# Altium PCB Smartfin Main PCBA.PcbDoc (part 2 of 2)
Units mm, origin at the board's own origin, x right, y up, seen from the top; angles counter-clockwise.
Board outline 85.75 x 70.5 mm, 4 copper layers (Top Layer, GND, Power, Bottom Layer), stack 0.678 mm thick; 125 components, 79 nets, 493 pads, 437 vias.
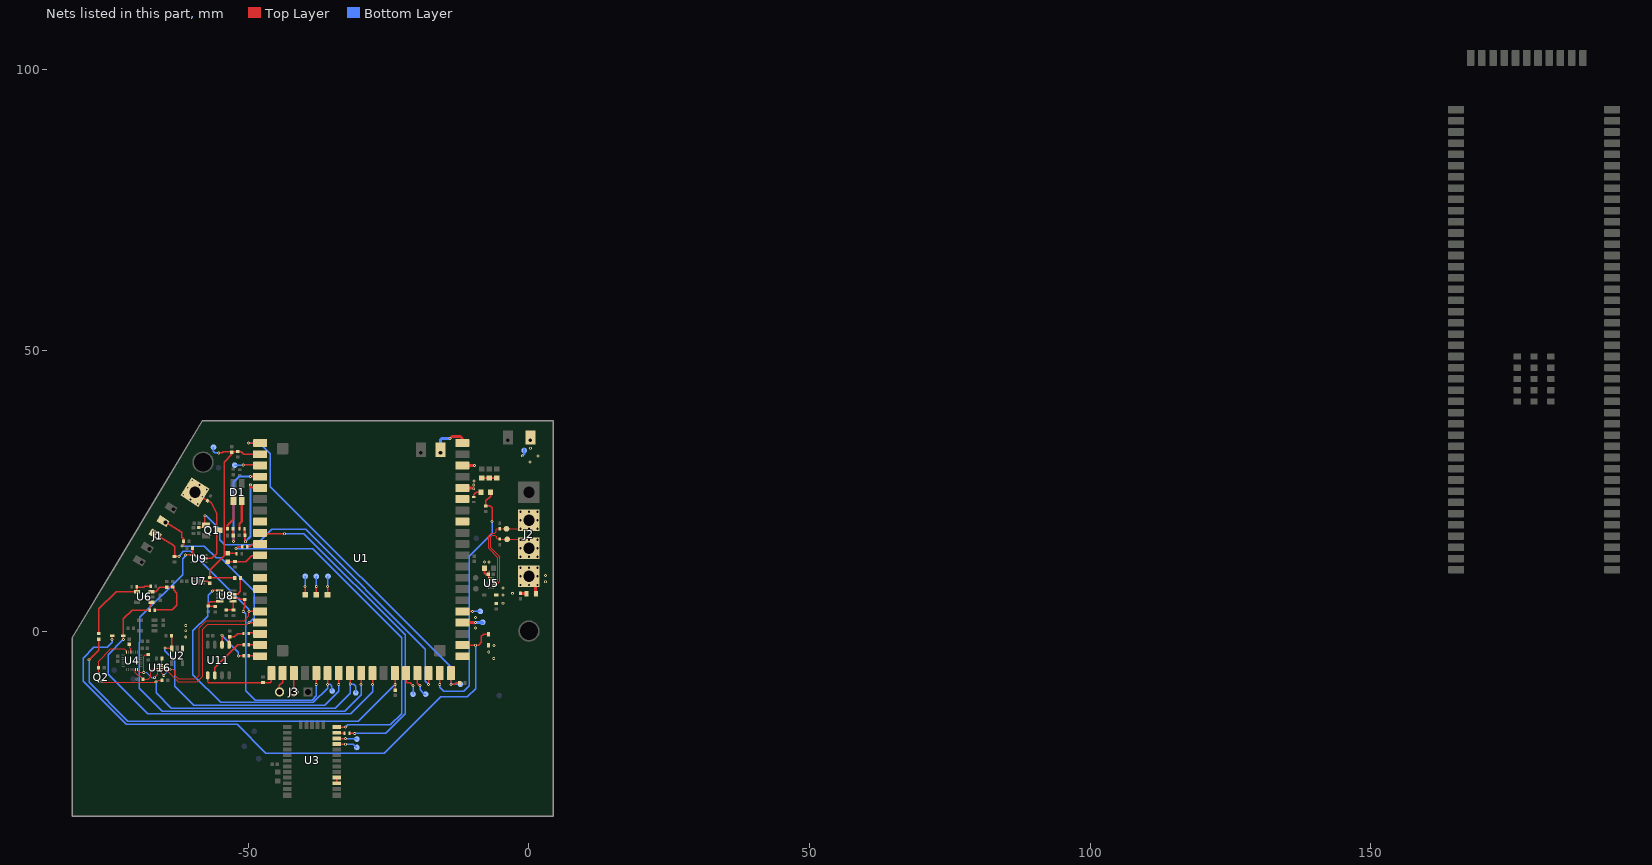
[diagram p4: the nets of this part, all layers, seen from the top]

## Via types
v1: diameter 0.503, hole 0.203, Top Layer to Bottom Layer, tented both sides, 397 vias
v2: diameter 0.6, hole 0.4, Top Layer to Bottom Layer, 32 vias
v3: diameter 0.61, hole 0.305, Top Layer to Bottom Layer, 8 vias

## Nets (pads, with @x,y where several pads share a name; then routed paths per layer and width w, separated by ;. In a path a pad name is that pad's centre, name@x,y a point inside that pad or via, vN(x,y) a via of type N, cw(c..) or ccw(c..) an arc to the next point about the centre after c; other vN are vias at no path point) (continued)
GPIO_PIN16: TP6.1 U1.16 | length 3.2
  Top Layer w0.254: U1.16@-11.872,3.504 v1(-10.03,3.504) -9.955,3.504 v1@-9.93,3.529
  Bottom Layer w0.254: v1@-9.9,3.515 TP6.1@-8.65,3.515
GPIO_PIN24: TP8.1 U1.24 | length 4.5
  Top Layer w0.254: U1.24@-19.88,-7.504 -19.88,-9.27 -19.68,-9.471 v1(-19.43,-9.721)
  Bottom Layer w0.254: v1@-19.4,-9.735 -19.4,-10.485 -18.65,-11.235 TP8.1@-18.4,-11.235
GPIO_PIN25: TP12.1 U1.25 | length 4.5
  Top Layer w0.254: U1.25@-21.88,-7.504 -21.88,-9.021 -21.68,-9.221 -21.18,-9.221 v1(-20.68,-9.721)
  Bottom Layer w0.254: TP12.1@-20.65,-11.235 v1@-20.65,-9.735
GPS_PWR: R14.2 U1.31 U2.3 | length 45.8
  Top Layer w0.254: v1(-64.848,-3.043) -63.65,-3.043 U2.3@-63.638,-3.031 ; R14.2@-63.675,-0.96 -63.65,-0.985 -63.65,-3.018 U2.3@-63.638,-3.031 ; U2.3@-63.625,-3.043 U2.3@-63.638,-3.031 ; v1(-33.88,-9.496) U1.31@-33.88,-7.504
  Bottom Layer w0.254: v1(-64.848,-3.043) -64.848,-3.485 -63.094,-5.239 -63.094,-9.841 -59.685,-13.25 -36.365,-13.25 -33.85,-10.735 v1@-33.85,-9.51
GPS_RF: U3.16 U3.17 | length 1.2
  Top Layer w0.254: U3.16@-34.25,-27.11 U3.17@-34.25,-26.11 -34.25,-26.085 U3.17@-34.15,-25.985 ; U3.17@-34.125,-26.185 U3.17@-34.066,-26.126
GPS_RX: R1.1 U1.49 | length 58.8
  Top Layer w0.254: U1.49@-47.888,17.504 -47.727,17.343 v1(-43.529,17.343) ; R1.1@-31.95,-18.235 v1(-31.03,-18.235)
  Bottom Layer w0.254: v1(-43.529,17.343) -40.079,17.343 ; -40.074,17.343 -40.079,17.343 ; v1(-31.03,-18.235) -25.549,-18.235 -22.075,-14.761 -22.075,-0.66 -40.079,17.343
GPS_TX: R2.1 U1.48 | length 2.6
  Top Layer w0.254: R2.1@-50.234,14.981 -50.234,15.006 -50.209,15.032 R2.1@-50.191,15.032 -49.701,15.032 -49.269,15.464 -47.929,15.464 U1.48@-47.888,15.504 U1.48@-47.873,15.489
GREEN: D1.3 R8.2 | length 5.3
  Top Layer w0.254: R8.2@-51.607,18.26 R8.2@-51.557,18.21
  Top Layer w0.381: R8.2@-51.557,18.21 -51.557,19.118 -51.155,19.52 -51.155,23.105 D1.3@-51.3,23.25
GREEN_PIO: R8.1 R29.1 U1.53 | length 15.1
  Top Layer w0.254: R8.1@-50.657,18.21 R8.1@-50.632,18.185 ; R29.1@-50.632,17.092 R29.1@-50.607,17.067 R29.1@-50.567,17.026 ; v1@-50.567,15.966 v1(-50.526,15.925) -50.395,15.925 v1@-50.39,15.93 ; U1.53@-47.938,25.554 U1.53@-47.888,25.504
  Top Layer w0.381: R29.1@-50.632,17.092 R8.1@-50.632,18.185 ; v1@-50.567,15.966 R29.1@-50.567,17.026 ; v1(-49.613,26.056) -49.613,25.653 -49.57,25.61 ; -49.48,25.554 U1.53@-47.938,25.554
  Bottom Layer w0.381: v1(-50.526,15.925) -49.613,16.838 v1(-49.613,26.056)
I2C_VREF2: R40.1 U16.7 U16.8 | length 1.5
  Top Layer w0.15: U16.7@-65.441,-6.319 U16.7@-65.466,-6.344 U16.8@-65.466,-5.994 -65.466,-4.977 R40.1@-65.369,-4.88
IMU_INT: Q2.D R44.1 TP25.1 U1.30 | length 55.6
  Top Layer w0.203: Q2.D@-76.16,-8.869 -76.16,-8.924 -75.936,-9.149 -66.531,-9.149 v1(-66.425,-9.042) -66.344,-9.042 -66.084,-8.783 R44.1@-65.479,-8.783 ; U1.30@-31.88,-7.504 U1.30@-31.845,-7.539
  Top Layer w0.254: v1(-31.845,-9.454) U1.30@-31.845,-7.539
  Bottom Layer w0.254: v1(-66.425,-9.042) -66.425,-11.003 -63.703,-13.725 -34.49,-13.725 -31.87,-11.105 v1@-31.87,-9.454 ; v1(-31.845,-9.454) -31.212,-9.454 -30.854,-9.812 TP25.1@-30.854,-10.975
IMU_INT_VDDIO: Q2.S R43.1 U4.12 | length 8.4
  Top Layer w0.203: Q2.S@-76.66,-7.579 R43.1@-76.66,-6.518 -76.66,-5.361 -74.491,-3.191 -72.104,-3.191 -71.752,-3.543 -71.723,-3.543 -71.721,-3.544 U4.12@-71.721,-3.741
IMU_SCL: R42.1 U4.23 U16.3 | length 6.5
  Top Layer w0.15: -66.651,-6.694 -66.198,-6.694 U16.3@-66.136,-6.694
  Top Layer w0.203: U4.23@-70.121,-6.841 -70.121,-7.446 -69.678,-7.889 -69.415,-7.889 -68.798,-8.506 R42.1@-68.798,-8.556 -67.824,-8.556 -67.4,-8.132 -67.4,-7.069 -67.025,-6.694 -66.651,-6.694 ; U16.3@-66.198,-6.694 U16.3@-66.136,-6.694
IMU_SDA: R41.1 U4.24 U16.4 | length 9.1
  Top Layer w0.15: U16.4@-66.136,-7.044 -66.128,-7.052 -66.128,-7.391
  Top Layer w0.203: U4.24@-69.721,-6.841 -69.721,-7.038 -69.379,-7.38 v1(-68.621,-7.38) -68.617,-7.376 -68.617,-4.509 -68.338,-4.23 -67.888,-4.23 R41.1@-67.838,-4.18 ; v1@-66.608,-8.302 v1(-66.689,-8.302) -66.689,-8.243 -66.128,-7.682 -66.128,-7.391
  Bottom Layer w0.203: v1(-68.621,-7.38) -68.153,-7.38 -67.231,-8.302 v1(-66.689,-8.302)
LED: DS2.2 R11.1 U1.47 | length 6.2
  Top Layer w0.254: DS2.2@-53.75,12.369 -52.638,12.369 -52.628,12.36 -52.576,12.36 R11.1@-52.571,12.355 ; R11.1@-52.368,12.369 -50.471,12.369 -49.4,13.44 -47.908,13.44 U1.47@-47.858,13.49
LIPO: C7.2 C10.2 C11.2 P1.1 TP26.1 U1.5 U2.1 | length 6
  Top Layer w0.254: U1.5@-11.872,25.504 U1.5@-11.772,25.604
  Top Layer w0.381: U2.1@-61.728,-3.041 U2.1@-61.725,-3.043 ; C11.2@-8.429,27.249 C10.2@-7.082,27.249 C7.2@-5.729,27.249 -5.716,27.249 C7.2@-5.665,27.199
  Top Layer w0.559: U1.5@-11.872,25.504 -11.839,25.471 -10.153,25.471
  Bottom Layer w0.381: v1(-1.175,31.225) -0.84,31.56 TP26.1@-0.84,32.414
  other v1: -61.131,-1.046 -61.156,0.046 -61.156,0.986 -9.827,25.358 -9.819,26.051 -9.81,26.736 0.174,30.112 1.6,31.175 0.26,32.575
MODE: TP14.1 U1.55 | length 4.6
  Top Layer w0.254: v1(-50.895,29.611) -47.847,29.611 U1.55@-47.796,29.561
  Bottom Layer w0.254: TP14.1@-52.42,29.56 -50.896,29.56 v1@-50.895,29.561
NetC4_2: C4.2 U4.10 | length 1.5
  Top Layer w0.203: C4.2@-71.321,-2.399 -71.113,-2.607 -71.113,-3 -70.967,-3.146 -70.967,-3.159 -70.921,-3.205 U4.10@-70.921,-3.741
NetDS1_A: DS1.A R12.1 | length 2
  Top Layer w0.254: R12.1@-9.891,23.874 -9.867,23.898 -9.832,23.898 -9.832,24.297 -9.378,24.751 DS1.A@-8.532,24.751
NetDS2_1: DS2.1 R10.1 | length 1.5
  Top Layer w0.254: DS2.1@-53.583,13.844 R10.1@-52.12,13.844
NetR1_2: R1.2 U3.25 | length 1.4
  Top Layer w0.254: U3.25@-34.25,-18.11 -34.187,-18.172 -32.923,-18.172 -32.9,-18.195 R1.2@-32.9,-18.235
NetR2_2: R2.2 U3.26 | length 63.5
  Top Layer w0.254: v1(-52.19,14.702) -52.123,14.702 -51.792,15.032 R2.2@-51.123,15.032 ; U3.26@-34.187,-17.047 U3.26@-34.25,-17.11 v1(-32.675,-17.11)
  Bottom Layer w0.254: v1@-52.19,14.727 -52.165,14.702 -38.525,14.702 -22.675,-1.148 -22.675,-14.686 -24.699,-16.71 -32.275,-16.71 v1(-32.675,-17.11)
NetR32_1: R32.1 U8.7 | length 3.7
  Top Layer w0.254: U8.7@-52.725,6.59 -51.92,6.59 -51.4,7.11 R32.1@-51.4,9.265
NetR33_1: R33.1 U7.5 | length 1.2
  Top Layer w0.254: U7.5@-57.995,8.908 -57.993,8.906 -57.341,8.906 -56.964,8.529 R33.1@-56.914,8.529
NetU1_6: U1.6
NetU1_8: U1.8
NetU1_20: U1.20
NetU1_44: U1.44
NetU1_45: U1.45
NetU1_50: U1.50
RED: D1.1 R7.2 | length 5.7
  Top Layer w0.254: R7.2@-53.72,18.235 R7.2@-53.714,18.24
  Top Layer w0.381: R7.2@-53.714,18.24 -53.714,18.864 -52.637,19.941 -52.637,22.938 -52.9,23.201 -52.9,23.3 D1.1@-52.925,23.325
RED_PIO: R7.1 R30.1 U1.54 | length 18.3
  Top Layer w0.254: R7.1@-52.72,18.235 R7.1@-52.702,18.216 ; R30.1@-52.702,17.06 R30.1@-52.683,17.042 R30.1@-52.664,17.022 ; v1@-52.664,15.954 v1(-52.645,15.935)
  Top Layer w0.381: R30.1@-52.702,17.06 R7.1@-52.702,18.216 ; v1@-52.664,15.954 R30.1@-52.664,17.022 ; v1@-49.634,27.536 U1.54@-47.697,27.536
  Bottom Layer w0.381: v1(-52.645,15.935) -52.645,26.535 -51.64,27.539 v1(-49.637,27.539)
RESET: C8.2 R15.1 R32.2 R33.2 TP15.1 U1.56 | length 37.7
  Top Layer w0.254: v1@-55.238,31.745 -54.654,31.745 -54.449,31.95 -52.936,31.95 -51.876,31.95 -51.301,31.95 -50.841,31.49 U1.56@-47.858,31.49 ; -53.9,9.515 R33.2@-56.9,9.515 -56.9,10.863 -54.327,13.436 -54.327,30.123 -52.95,31.5 C8.2@-52.95,31.65 ; -53.841,9.52 -52.461,9.52 R32.2@-52.411,9.469
  Bottom Layer w0.254: TP15.1@-56.203,32.786 TP15.1@-56.203,32.761 -56.203,31.999 -55.949,31.745 v1(-55.263,31.745)
RESET_N: TP17.1 U3.23 | length 3.7
  Top Layer w0.254: U3.23@-34.125,-20.185 -34.097,-20.157 v1(-32.666,-20.157)
  Bottom Layer w0.254: v1@-32.65,-20.235 -32.572,-20.157 -31.322,-20.157 -30.744,-20.735 TP17.1@-30.65,-20.735
SAFEBOOT_N: TP18.1 U3.24 | length 3.5
  Top Layer w0.254: U3.24@-34.125,-19.185 -34.081,-19.141 v1(-32.666,-19.141)
  Bottom Layer w0.254: v1@-32.65,-19.235 -32.603,-19.188 -30.697,-19.188 TP18.1@-30.65,-19.235
SCL: J1.2 R3.1 U1.41 U16.6 | length 56.6
  Top Layer w0.15: U16.6@-65.466,-6.694 -64.951,-6.694
  Top Layer w0.203: -64.951,-6.694 -64.803,-6.694 -62.505,-8.992 -59.071,-8.992 -58.112,-8.033 -58.112,0.357 -57.218,1.252 -50.149,1.252 -49.896,1.504 v1(-49.88,1.504)
  Top Layer w0.254: J1.2@-65.3,19.725 -65.156,19.638 -65.1,19.407 -64.869,19.464 -64.725,19.377 -61.875,17.65 -61.836,17.611 -61.836,17.223 ; v1(-61.842,15.133) -61.842,15.201 -61.541,15.501 R3.1@-61.541,15.717 ; -61.836,17.204 -61.836,16.749 -61.536,16.45 -61.536,16.005 R3.1@-61.556,15.985 ; v1(-49.88,1.504) U1.41@-47.888,1.504
  Bottom Layer w0.254: v1(-61.842,15.133) -57.829,15.133 -57.753,15.057 ; -57.727,15.032 -55.746,13.051 -54.882,13.051 -48.95,7.119 -48.95,2.39 v1@-49.85,1.49
SCLK: R24.2 U11.6 | length 7.4
  Top Layer w0.254: U11.6@-54.69,-2.432 -54.684,-2.427 v1@-54.684,-0.787 ; v1@-51.758,-4.418 R24.2@-50.807,-4.418
  Bottom Layer w0.254: v1@-54.679,-0.843 -51.758,-3.764 v1(-51.758,-4.417)
  other v1: -54.679,-0.742
SDA: J1.3 R4.1 U1.42 U16.5 | length 53.6
  Top Layer w0.15: -65.475,-7.376 -65.475,-7.053 U16.5@-65.466,-7.044
  Top Layer w0.203: -65.466,-7.385 -65.466,-7.543 -65.099,-7.909 v1(-65.052,-7.909) ; v1@-63.911,-6.789 -63.412,-6.789 -63.106,-7.095 -63.106,-7.888 -62.488,-8.506 -59.414,-8.506 -58.751,-7.843 -58.751,0.587 -57.491,1.847 -50.736,1.847 -49.88,2.702 v1(-49.88,3.504)
  Top Layer w0.254: J1.3@-66.17,16.986 -63.475,15.35 -63.123,14.998 R4.1@-63.123,13.296 ; R4.1@-63.158,13.303 -63.144,13.289 v1@-62.572,13.289 ; v1(-49.88,3.504) U1.42@-47.888,3.504
  Bottom Layer w0.203: v1(-65.052,-7.909) -63.984,-6.841 v1(-63.941,-6.841)
  Bottom Layer w0.254: v1(-62.336,13.296) -61.581,14.219 -60.285,14.219 -49.919,3.853 v1@-49.919,3.49
SET_0: R34.2 R35.1 U8.4 | length 4
  Top Layer w0.254: R34.2@-57.168,4.542 R34.2@-57.067,4.542 ; R34.2@-57.143,4.618 R34.2@-57.067,4.542 ; R35.1@-55.873,4.407 -56.932,4.407 R34.2@-57.067,4.542 ; U8.4@-55.075,5.29 -55.115,5.29 -55.14,5.265 -56.775,5.265 -57.067,4.973 R34.2@-57.067,4.542
SET_1: R36.1 R37.2 U8.5 | length 2.8
  Top Layer w0.254: R37.2@-53.9,3.79 R36.1@-52.65,3.79 -52.65,5.215 U8.5@-52.725,5.29
SI: R31.2 R39.2 U11.5 | length 4.2
  Top Layer w0.254: U11.5@-53.42,-2.432 -53.364,-2.376 -53.364,-1.102 -53.308,-1.046 -52.495,-1.046 -51.885,-0.437 R31.2@-50.837,-0.437
SO: R25.2 U11.2 | length 8.3
  Top Layer w0.254: U11.2@-56,-7.955 U11.2@-55.949,-8.006 ; U11.2@-55.96,-7.882 -55.96,-6.518 -51.903,-2.462 R25.2@-50.806,-2.462
SOLAR: P3.1 U1.1 | length 7.4
  Top Layer w0.508: v1(-14.065,34.31) -13.709,34.666 -12.21,34.666 -11.872,34.328 U1.1@-11.872,33.504
  Bottom Layer w0.508: P3.1@-15.75,31.79 -15.75,34.087 -15.527,34.31 v1(-14.065,34.31)
SPI_MISO: R25.1 U1.39 | length 2.1
  Top Layer w0.254: R25.1@-49.906,-2.462 -47.907,-2.462 U1.39@-47.858,-2.51
SPI_MOSI: R31.1 U1.40 | length 2.3
  Top Layer w0.254: R31.1@-49.955,-0.411 R31.1@-49.933,-0.39 ; R31.1@-49.925,-0.365 -49.879,-0.318 -48.066,-0.318 U1.40@-47.888,-0.496 ; U1.40@-47.933,-0.435 U1.40@-47.858,-0.51
SPI_SCK: R24.1 U1.38 | length 2.1
  Top Layer w0.254: R24.1@-49.906,-4.418 -47.95,-4.418 U1.38@-47.858,-4.51
SPI_SS: R27.1 U1.37 U11.1 | length 14.2
  Top Layer w0.254: -57.23,-9.037 U11.1@-57.23,-7.882 ; -57.219,-9.047 -57.092,-9.174 -51.352,-9.174 -51.344,-9.166 R27.1@-47.389,-9.166 ; R27.1@-47.415,-9.2 -47.381,-9.166 -46.111,-9.166 -45.891,-8.946 -45.891,-7.593 -45.891,-7.515 U1.37@-45.88,-7.504 ; U1.37@-45.85,-7.518 U1.37@-45.775,-7.593
STAT: R38.1 TP13.1 U1.21 U1.57 | length 66.5
  Top Layer w0.254: v1(-49.969,33.504) U1.57@-47.888,33.504 ; U1.21@-13.88,-7.504 v1(-13.88,-9.496) -13.167,-9.496 -12.922,-9.251 -12.363,-9.251 R38.1@-12.337,-9.225
  Bottom Layer w0.254: v1@-49.939,33.49 -47.95,33.49 -46.075,31.615 -46.075,25.74 -13.85,-6.485 -13.85,-9.51 -13.825,-9.485 -12.225,-9.485 TP13.1@-12.2,-9.46
STAT_LED: DS1.K R5.1 U1.22 | length 45.9
  Top Layer w0.254: v1(-15.88,-9.496) U1.22@-15.88,-7.504 ; DS1.K@-6.832,24.751 -6.826,24 -7.717,23.227 R5.1@-7.719,22.316 -6.959,22.316 -6.572,21.929 -6.572,19.616 v1@-6.532,19.576 ; DS1.K@-6.832,24.951 DS1.K@-6.826,24.946
  Bottom Layer w0.254: v1@-15.85,-9.51 -15.85,-10.025 -15.14,-10.735 -11.575,-10.735 -10.6,-9.76 -10.6,13.365 -6.572,17.394 v1(-6.572,19.528)
SWCLK: J3.3 U1.36 | length 2.4
  Top Layer w0.254: J3.3@-44.43,-10.85 -44.45,-10.83 -44.45,-9.675 -43.875,-9.1 U1.36@-43.875,-8.75 ; U1.36@-43.905,-7.529 U1.36@-43.88,-7.504
SWDIO: J3.2 U1.35 | length 2.7
  Top Layer w0.254: J3.2@-41.878,-10.19 -41.878,-10.114 -41.878,-7.546 U1.35@-41.85,-7.518
TEMP_MINUS: R17.1 R21.2 R23.2 U6.4 | length 15.9
  Top Layer w0.254: R23.2@-76.66,-0.46 -76.61,-0.41 -76.61,4.009 -73.57,7.05 U6.4@-69.85,7.05 ; U6.4@-69.825,7.025 U6.4@-69.85,7.05 ; R21.2@-67.386,8.011 -67.44,7.957 -68.492,7.957 -68.625,7.823 -69.888,7.823 -69.888,7.088 U6.4@-69.85,7.05
TEMP_PLUS: R18.2 R19.1 R20.2 U6.3 | length 11.7
  Top Layer w0.254: U6.3@-67.144,7.05 -66.527,7.05 -65.801,7.776 R20.2@-64.576,7.776 ; R18.2@-66.71,3.627 R18.2@-66.698,3.64 ; R18.2@-66.643,3.729 -66.643,3.739 -66.602,3.78 -63.595,3.78 -62.731,4.643 -62.731,6.777 -63.315,7.361 -63.315,7.715 R19.1@-63.438,7.839 R20.2@-64.513,7.839
UB_USB+: TP1.1 U1.61 | length 3.3
  Top Layer w0.254: U1.61@-35.88,6.504 v1(-35.88,7.929)
  Bottom Layer w0.254: v1@-35.85,7.915 -35.825,7.94 -35.825,9.74 TP1.1@-35.8,9.765
UB_USB-: TP2.1 U1.62 | length 3.3
  Top Layer w0.254: U1.62@-37.88,6.504 v1(-37.88,7.929)
  Bottom Layer w0.254: TP2.1@-37.875,9.74 -37.863,9.727 -37.863,7.928 v1@-37.85,7.915
UB_VUSB_DET: TP3.1 U1.63 | length 3.3
  Top Layer w0.254: U1.63@-39.88,6.504 v1(-39.88,7.929)
  Bottom Layer w0.254: v1@-39.85,7.915 TP3.1@-39.85,9.765
USB_DATA_N: J2.3 TP24.1 U5.6 U12.2 | length 29.5
  Top Layer w0.152: U5.6@-6.181,8.35 -6.159,8.372 -5.644,8.372 -5.178,8.838 -5.178,13.234 -6.832,14.888 -6.832,16.842 -6.572,17.103 -6.05,17.103 -5.736,16.789 -5.736,16.5 -5.646,16.411 -5.183,16.411 U12.2@-5.175,16.403 ; U12.2@-5.197,16.403 -5.144,16.35 TP24.1@-3.873,16.35 -1.599,16.35 v2(-1.524,16.275) J2.3@0,14.751 ; J2.3@-1.55,15.175 J2.3@-1.541,15.184 ; J2.3@-1.525,15.2 J2.3@-1.541,15.184 ; J2.3@-0.646,15.12 -0.71,15.184 J2.3@-1.541,15.184
  Bottom Layer w0.152: J2.3@-1.55,14.751 -1.55,13.253 v2(-1.524,13.227) ; J2.3@-1.524,16.3 J2.3@-0.025,16.3 ; J2.3@-1.398,13.227 v2(0,13.227) ; J2.3@-0.1,13.2 1.497,13.2 v2(1.524,13.227) ; v2(0,16.275) v2(1.524,16.275) J2.3@1.524,14.799 ; J2.3@1.524,13.276 v2(1.524,14.751)
  other v2: -1.524,14.751
USB_DATA_P: J2.2 TP23.1 U5.7 U13.1 | length 32.7
  Top Layer w0.152: U5.7@-6.181,8.75 -6.159,8.728 -5.791,8.728 -5.533,8.985 -5.533,13.086 -7.188,14.74 -7.188,16.99 -6.719,17.458 -6.05,17.458 -5.825,17.683 -5.825,18.138 -5.736,18.227 U13.1@-5.184,18.227 ; U13.1@-5.182,18.225 TP23.1@-3.998,18.225 -3.996,18.227 v2(-1.524,18.227) ; J2.2@-1.524,18.277 v2(-1.524,21.275) J2.2@-1.524,18.277
  Bottom Layer w0.152: v2(-1.524,21.275) v2(1.524,21.275) 1.6,21.351 J2.2@1.6,18.227 ; v2(0,21.275) v2(0,18.227) v2(1.524,18.227)
  other v2: -1.524,19.751 1.524,19.751
VBUS: C5.2 C6.2 D4.K D5.A F1.2 R16.2 TP5.1 U1.3 U1.17 U5.9 U5.10 U14.1 | length 10.5
  Top Layer w0.254: C5.2@-8.05,11.325 -7.963,11.238 C5.2@-7.957,11.232 ; C6.2@-7.225,10.1 -7.075,10.25 -7.075,10.775 ; U5.10@-7.15,9.318 -7.164,9.332 -7.164,10.061 C6.2@-7.125,10.1 ; U5.10@-7.1,9.325 U5.9@-6.8,9.325
  Top Layer w0.381: C5.2@-8,11.2 -7.962,11.238 C5.2@-7.95,11.25 ; C5.2@-7.925,11.175 -7.925,10.323 -7.702,10.1 C6.2@-7.225,10.1 ; D5.A@-7.2,-2.56 D5.A@-7.15,-2.61 ; v1@-7.125,12.27 v1@-7.103,12.292
  Top Layer w0.508: U1.17@-11.872,1.504 -9.859,1.504 -9.772,1.417 ; U14.1@-1.514,6.711 -0.587,6.711 F1.2@-0.526,6.65 ; U14.1@-1.456,6.768 U14.1@-1.431,6.768
  Top Layer w0.559: U1.3@-11.872,29.504 v1(-9.68,29.504)
  Bottom Layer w0.508: v1(-9.53,1.504) -8.284,1.504 TP5.1@-8.223,1.443
  other v1: -6.261,-4.878 -7.15,-3.735 -6.21,-2.567 -9.53,0.576 -9.53,2.43 -4.6,4.95 -4.6,6.425 -2.9,6.725 -4.607,7.662 -7.925,12.325 -7.125,12.325
VBUS_CONN: F1.1 J2.4 | length 3.6
  Top Layer w0.559: J2.4@0,9.751 1.176,8.575 1.176,6.676 F1.1@1.125,6.625
  other v1: 2.95,8.8 2.975,9.875
  other v2: -1.524,8.227 0,8.227 1.524,8.227 -1.524,9.751 1.524,9.751 -1.524,11.275 0,11.275 1.524,11.275
WATER: D6.A R18.1 U1.28 U6.1 | length 72.6
  Top Layer w0.254: v1(-72.25,-1.499) -72.25,2.153 -70.674,3.729 R18.1@-67.575,3.729 R18.1@-67.536,3.768 ; R18.1@-67.582,3.83 -67.575,3.838 -67.575,4.422 -67.252,4.745 -67.252,5.002 U6.1@-67.3,5.05 ; U1.28@-27.88,-7.504 -27.855,-7.529 v1(-27.855,-9.496)
  Bottom Layer w0.254: v1(-72.25,-1.499) -74.955,-4.204 -74.955,-7.682 -67.937,-14.7 -31.74,-14.7 -27.825,-10.785 v1@-27.825,-9.51
WATER_DETECT_ADC: C15.2 R23.1 U1.26 | length 71.6
  Top Layer w0.254: v1(-78.38,-5.108) -76.948,-3.676 -76.66,-3.388 R23.1@-76.66,-1.46 ; U1.26@-23.88,-7.504 -23.83,-7.554 v1(-23.83,-9.496) ; v1@-23.869,-9.555 -23.824,-9.6 -23.824,-10.522 C15.2@-23.818,-10.528
  Bottom Layer w0.254: v1(-78.38,-5.108) -78.38,-9.155 -71.435,-16.1 -30.388,-16.1 -23.8,-9.512 v1@-23.8,-9.51
WATER_DETECT_PAD: P5.1 Q1.D U9.2 U15.1 | length 24.9
  Top Layer w0.254: P5.1@-58.351,23.71 -58.092,23.771 -57.23,23.238 -56.908,23.038 -56.906,23.039 -56.618,22.854 -55.6,21.029 -55.6,18.125 -55.65,18.075 -55.65,13.815 -56.502,12.963 -57.634,12.963 U9.2@-57.682,12.915
  Bottom Layer w0.254: v3(-61.6,24.266) -61.516,24.35 P5.1@-61.6,24.35 ; P5.1@-60.75,25.5 -60.75,25.116 -61.081,24.785 -61.081,24.35 -61.199,24.35 v3(-60.307,23.458) ; P5.1@-60.275,23.425 -59.5,22.65 v3(-59.015,22.65) ; v3(-59.985,26.851) -59.726,26.851 -59.225,26.35 -58.975,26.35 P5.1@-58.65,26.025 ; P5.1@-58.975,22.625 -58.575,23.025 -58.575,23.3 -58.207,23.668 v3(-58.207,23.943) ; P5.1@-58.797,23.882 -58.797,23.694 P5.1@-58.746,23.643 ; v3(-58.692,26.043) -57.974,25.325 -57.555,25.325 -57.555,25.08 -58.2,24.435 P5.1@-58.2,23.9
  other v3: -57.4,25.235 -60.792,25.558
WATER_EN: R22.2 U1.29 U9.4 | length 76
  Top Layer w0.254: v1(-61.176,13.565) U9.4@-59.882,13.565 -59.915,13.599 R22.2@-59.915,14.79 ; v1(-29.905,-9.496) -29.905,-7.529 U1.29@-29.88,-7.504
  Bottom Layer w0.254: v1(-61.176,13.565) -61.176,13.462 -61.715,12.924 -61.715,10.025 -69.307,2.434 -69.307,-2.005 -69.422,-2.12 -69.422,-10.203 -65.375,-14.25 -32.775,-14.25 -29.875,-11.35 v1@-29.875,-9.51
WATER_MFG_TEST_EN: Q1.G R26.2 U1.23 | length 64.1
  Top Layer w0.254: R26.2@-58.929,18.489 -58.908,18.51 -57.881,18.51 Q1.G@-57.708,18.684 ; Q1.G@-57.75,18.8 -57.723,18.827 v1(-57.723,20.548) ; v1(-17.88,-9.496) U1.23@-17.88,-7.504
  Bottom Layer w0.254: v1(-57.723,20.548) -57.483,20.548 -55.1,18.165 -55.1,16.308 -54.155,15.362 -48.603,15.362 -45.85,18.115 -39.797,18.115 -18.459,-3.224 -18.459,-8.902 v1@-17.85,-9.51
WDT_EN: R13.2 U1.33 U8.6 | length 36.2
  Top Layer w0.254: U8.6@-52.642,5.857 -52.673,5.888 -51.58,5.888 -51.352,5.659 R13.2@-50.666,5.659 ; v1(-50.9,3.515) -50.832,3.583 -50.832,4.083 -50.65,4.265 -50.65,5.015 -50.65,5.491 R13.2@-50.666,5.507 ; v1(-37.905,-9.496) -37.905,-7.529 U1.33@-37.88,-7.504
  Bottom Layer w0.254: v1(-50.9,3.515) -50.437,3.052 -50.437,-10.613 -48.75,-12.3 -38.625,-12.3 -37.881,-11.556 -37.881,-9.516 v1@-37.875,-9.51
WDT_TRIG: TP27.1 U1.32 U8.1 | length 49.3
  Top Layer w0.254: v1(-56.375,7.165) -56.3,7.24 U8.1@-55.075,7.24 ; v1(-35.88,-9.496) U1.32@-35.88,-7.504
  Bottom Layer w0.254: v1(-56.375,7.165) -57.15,6.39 -57.15,4.665 -57.265,4.55 -57.265,2.65 -59.882,0.033 -59.882,-7.74 -54.896,-12.725 -38.415,-12.725 -35.85,-10.16 v1@-35.85,-9.51 ; v1(-35.88,-9.496) -35.404,-9.496 -35.106,-9.794 -35.106,-10.644 TP27.1@-35.075,-10.675
WKP: D5.K D6.K U1.19 | length 105.7
  Top Layer w0.203: v1(-74.263,-1.487) -74.263,-0.868 D6.K@-74.243,-0.848
  Top Layer w0.254: v1@-74.263,-1.623 v1(-74.263,-1.487) ; U1.19@-11.872,-2.496 -11.847,-2.521 v1(-9.53,-2.521) ; v1@-9.5,-2.535 -9.475,-2.51 -8.949,-2.51 -8.451,-2.012 -8.451,-0.961 -8.05,-0.56 D5.K@-7.2,-0.56 D5.K@-7.163,-0.522
  Bottom Layer w0.254: v1(-74.263,-1.487) -74.263,-2.015 -75.158,-2.91 -77.497,-2.91 -79.451,-4.864 -79.451,-8.959 -71.785,-16.625 -52.01,-16.625 -46.862,-21.773 -25.774,-21.773 -15.736,-11.735 -11,-11.735 -9.5,-10.235 v1@-9.5,-2.535
pads on no net: U2.4 U3.2 U3.3 U3.6 U3.20 U3.28 U3.29 U3.30 U4.1 U4.2 U4.3 U4.4 U4.5 U4.6 U4.7 U4.14 U4.15 U4.16 U4.17 U4.19 U4.21 U5.4 U5.5 U7.1 U7.3 U7.6 U8.3 U10.4 U11.3 U11.7 U17.1 U17.2 U17.3 U17.4 U17.5 U17.6 U17.7 U17.8 U17.9 U17.10 U17.11 U17.12 U17.13 U17.14 U17.15 U17.16 U17.17 U17.18 U17.19 U17.20 U17.21 U17.22 U17.23 U17.24 U17.25 U17.26 U17.27 U17.28 U17.29 U17.30 U17.31 U17.32 U17.33 U17.34 U17.35 U17.36 U17.37 U17.38 U17.39 U17.40 U17.41 U17.42 U17.43 U17.44 U17.45 U17.46 U17.47 U17.48 U17.49 U17.50 U17.51 U17.52 U17.53 U17.54 U17.55 U17.56 U17.57 U17.58 U17.59 U17.60 U17.61 U17.62 U17.63 U17.64 U17.65 U17.66 U17.67 U17.68 U17.69 U17.70 U17.71 U17.72 U17.73 U17.74 U17.75 U17.76 U17.77 U17.78 U17.79 U17.80 U17.81 U17.82 U17.83 U17.84 U17.85 U17.86 U17.87 U17.88 U17.89 U17.90 U17.91 U17.92 U17.93 U17.94 U17.95 U17.96 U17.97 U17.98 U17.99 U17.100 U17.101 U17.102 U17.103 U17.104 U17.105 U17.106 U17.107 U17.108 U17.109 U17.110

## Polygon pours and split planes (outlines as drawn)
GND on Top Layer "Top Layer-GND" (solid, remove dead copper, pour order 40): 4.35,-9.454 4.35,-29.926 -80.816,-29.926 -80.841,-29.952 -80.867,-29.926 -80.867,-9.454
VBUS on Top Layer "Top Layer-VBUS" (solid, pour order 22): -5.556,4.719 -5.556,-4.298 -10.255,-4.298 -10.255,4.719
VBUS_CONN on Top Layer "Top Layer-VBUS_CONN" (solid, pour order 56): -0.85,12.675 3.825,12.675 3.825,4.5 3.775,4.45 -0.8,4.45 -0.8,12.625
LIPO on Top Layer "Top Layer-LIPO 1" (solid, pour order 36): -3.975,31.821 2.235,31.821 2.235,26.589 -3.975,26.589
LIPO on Top Layer "Top Layer-LIPO" (solid, pour order 30): 2.235,24.974 2.235,27.75 -11.093,27.75 -11.093,24.974
VBUS on Top Layer "Top Layer-VBUS 1" (solid, remove dead copper, pour order 20): -8.825,12.754 -0.45,12.754 -0.45,4.465 -8.825,4.465
1V8_VDDIO on Top Layer "Top Layer-1V8_VDDIO" (solid, remove dead copper, pour order 12): -68.573,1.468 -70.297,1.468 -70.297,-4.729 -68.573,-4.729
1V8_VDDIO on Top Layer "Top Layer-1V8_VDDIO 1" (solid, pour order 64): -70.685,1.621 -68.338,1.621 -68.338,-1.249 -70.257,-1.249 -70.63,-0.876
GND on Top Layer "Top Layer-GND 1" (solid, pour order 28): -70.63,-1.732 -67.278,1.621 -62.071,1.621 -62.071,-2.52 -65.3,-2.52 -65.3,-3.388 -70.63,-3.388
3v3SW on Top Layer "Top Layer-3v3SW" (solid, pour order 10): -62.572,-5.364 -60.038,-5.364 -60.038,-8.133 -62.572,-8.133
no net on Top Layer "Top Layer-No Net" (solid, pour order 60): -67.129,-9.454 -66.664,-9.454 -66.714,-9.504 -66.739,-9.504 -66.739,-9.592 -66.922,-9.775 -67.054,-9.643 -67.054,-9.634 -66.995,-9.634 -66.897,-9.535 -66.883,-9.549 -66.602,-9.549
VBUS on Top Layer "Top Layer-VBUS 3" (solid, pour order 58): -8.324,12.754 -6.729,12.754 -6.729,9.623 -8.525,9.625 -8.525,12.533 -8.303,12.754
3V3 on Top Layer "Top Layer-3V3" (solid, pour order 24): -6.286,23.302 -10.991,23.292 -10.991,13 -6.286,13
LIPO on Top Layer "Top Layer-LIPO 3" (solid, pour order 52): -1.835,36.82 2.165,36.82 2.2,36.855 2.235,36.82 2.235,31.79 -1.765,31.79 -1.82,31.845 -1.82,36.805
GND on Top Layer "Top Layer-GND 3" (solid, pour order 54): -5.44,36.827 -1.648,36.822 -1.92,36.55 -1.92,31.855 -5.44,31.85 -5.44,31.89
GND on Top Layer "Top Layer-GND 2" (solid, pour order 42): -11.213,27.45 -4.175,27.45 -4.175,36.825 -11.213,36.825
LIPO on Top Layer "Top Layer-LIPO 2" (solid, pour order 48): -61.918,1.595 -61.944,1.57 -61.944,-3.713 -59.912,-3.713 -59.886,-3.739 -59.759,-3.612 -59.759,1.544 -59.81,1.595
VBUS on Top Layer "Top Layer-VBUS 2" (solid, pour order 38): -10.255,-4.298 -10.229,-4.323 -10.229,-6.431 -5.556,-6.431 -5.556,-3.815 -10.204,-3.815 -10.229,-3.84
GND on GND (split plane): 3.839,-29.82 -35.045,-29.82 -35.045,-25.507 -42.245,-25.507 -42.245,-29.82 -80.89,-29.82 -80.89,-1.391 -72.56,12.492 -65.229,24.711 -57.861,36.99 3.839,36.99
3V3 on Power (split plane): -13.394,22.332 -12.81,21.747 -12.768,21.719 -12.718,21.71 -7.488,21.71 -7.488,14.095 -11.261,10.323 -11.289,10.281 -11.298,10.231 -11.298,-2.342 -11.289,-2.391 -11.276,-2.411 -11.268,-2.447 -11.24,-2.489 -7.892,-5.838 -7.85,-5.866 -7.8,-5.876 -1.4,-5.876 -1.351,-5.866 -1.326,-5.849 3.839,-5.849 3.839,-29.82 -35.045,-29.82 -35.045,-25.507 -42.245,-25.507 -42.245,-29.82 -80.89,-29.82 -80.89,-1.391 -72.56,12.492 -71.896,13.599 -67.864,9.568 -67.864,3.907 -67.854,3.857 -67.826,3.815 -67.776,3.764 -67.734,3.736 -67.684,3.726 -64.766,3.726 -64.207,3.167 -64.207,-1.961 -64.197,-2.01 -64.169,-2.052 -64.127,-2.08 -64.077,-2.09 -59.073,-2.09 -59.024,-2.08 -58.982,-2.052 -58.954,-2.01 -58.944,-1.961 -58.944,1.138 -58.954,1.188 -58.982,1.23 -62.97,5.217 -63.012,5.245 -63.026,5.248 -63.643,5.865 -63.643,7.793 -63.643,10.434 -63.653,10.484 -63.681,10.526 -64.126,10.971 -64.126,13.048 -60.811,16.363 -60.783,16.405 -60.773,16.454 -60.773,19.132 -59.033,20.871 -56.212,20.871 -56.163,20.881 -56.121,20.909 -54.647,22.383 -54.619,22.425 -54.609,22.474 -54.609,24.592 -54.609,24.647 -54.609,24.77 -54.236,25.144 -54.224,25.155 -49.862,25.155 -49.812,25.165 -49.77,25.193 -48.961,26.002 -17.065,26.002
1V8_VDDIO on Power (split plane): -70.707,1.847 -67.569,1.847 -67.569,-9.375 -71.35,-9.375 -72.869,-7.857 -72.869,-0.298 -70.721,1.85
LIPO on Power (split plane): 3.839,29.436 -0.93,29.436 -2.645,31.151 -2.687,31.179 -2.736,31.189 -11.782,31.189 -11.8,31.192 -11.85,31.183 -11.892,31.154 -11.92,31.112 -11.93,31.063 -11.93,27.579 -11.92,27.53 -11.892,27.488 -11.85,27.46 -11.8,27.45 -8.423,27.45 -8.418,27.428 -8.39,27.386 -8.348,27.358 -8.299,27.348 -8.149,27.348 -5.939,25.138 -5.939,23.442 -7.413,21.968 -12.665,21.968 -13.211,22.515 -16.919,26.223 -16.961,26.251 -17.011,26.261 -49.015,26.261 -49.065,26.251 -49.107,26.223 -49.915,25.414 -54.278,25.414 -54.327,25.405 -54.369,25.376 -54.419,25.327 -54.83,24.916 -54.858,24.874 -54.868,24.824 -54.868,24.647 -54.868,24.592 -54.868,22.528 -56.266,21.13 -59.087,21.13 -59.136,21.12 -59.178,21.092 -60.847,19.423 -60.853,19.427 -60.902,19.437 -60.952,19.427 -60.994,19.399 -61.022,19.357 -61.032,19.307 -61.032,16.508 -64.347,13.193 -64.375,13.151 -64.384,13.101 -64.384,10.917 -64.375,10.867 -64.347,10.825 -63.902,10.381 -63.902,7.793 -63.902,5.812 -63.892,5.762 -63.864,5.72 -63.051,4.907 -63.009,4.879 -62.995,4.876 -59.203,1.084 -59.203,-1.831 -63.948,-1.831 -63.948,3.221 -63.958,3.27 -63.986,3.312 -64.621,3.947 -64.663,3.975 -64.712,3.985 -67.605,3.985 -67.605,9.622 -67.615,9.671 -67.643,9.713 -71.758,13.828 -65.229,24.711 -57.861,36.99 3.839,36.99
3v3SW on Power (split plane): -51.342,-15.972 -51.3,-16 -51.25,-16.009 -44.776,-16.009 -43.902,-16.884 -43.902,-18.353 -45.257,-19.708 -45.742,-20.192 -45.77,-20.234 -45.779,-20.284 -45.779,-27.536 -48.666,-27.536 -62.779,-13.423 -62.779,-7.755 -62.246,-7.221 -60.092,-7.221
VBUS_CONN on Power (split plane): 3.839,6.06 -2.296,6.06 -2.296,12.171 3.839,12.171
VBUS on Power (split plane): -1.075,29.215 -1.033,29.187 -0.984,29.177 3.839,29.177 3.839,12.429 -2.425,12.429 -2.475,12.42 -2.517,12.392 -2.545,12.35 -2.554,12.3 -2.554,5.956 -2.545,5.906 -2.517,5.864 -2.492,5.839 -2.45,5.811 -2.4,5.801 3.839,5.801 3.839,-5.591 -1.39,-5.591 -1.44,-5.6 -1.464,-5.617 -5.095,-5.617 -5.108,-5.603 -5.15,-5.575 -5.2,-5.565 -5.25,-5.575 -5.292,-5.603 -5.301,-5.617 -7.747,-5.617 -11.04,-2.324 -11.04,10.178 -7.267,13.95 -7.239,13.992 -7.23,14.041 -7.23,21.785 -5.718,23.297 -5.69,23.339 -5.68,23.388 -5.68,25.192 -5.69,25.241 -5.718,25.283 -8.004,27.569 -8.046,27.597 -8.096,27.607 -8.179,27.607 -8.183,27.629 -8.212,27.671 -8.254,27.699 -8.303,27.709 -11.671,27.709 -11.671,30.93 -2.79,30.93

## Other copper
Top Layer:
  rectangle net GND: -46.043,21.001 -45.078,22.601
  rectangle net GND: -50.056,4.973 -49.244,6.624
  rectangle net GND: -10.128,4.923 -8.525,6.802
  rectangle net GND: -10.001,10.257 -8.604,11.958
  rectangle net 3v3SW: -46.399,-25.659 -45.434,-24.313
  region net GND: -66.664,-9.454 -67.129,-9.454 -67.054,-9.529 -67.054,-9.634 -66.781,-9.634 -66.739,-9.592 -66.425,-9.592
  region net GND: -9.34,22.017 -9.34,20.188 -9.416,20.112 -10.356,20.112 -10.356,21.991 -10.331,22.017
  region net GND: -10.229,0.071 -10.204,0.071 -8.807,0.071 -8.807,-1.834 -9.035,-2.062 -10.28,-2.062 -10.28,0.02 -10.28,0.071
Power (plane layer: these items are gaps in the copper):
  rectangle: -81.407,-32.995 4.369,-29.82
  rectangle: -1.885,12.84 1.925,16.65
  rectangle: -1.885,17.84 1.9,21.65
  rectangle: -1.91,22.84 1.9,26.65
  rectangle: -42.245,-30.307 -35.045,-25.507
  lines w0.254: -72.104,13.99 -67.735,9.622 -67.735,3.907 -67.684,3.856 -64.712,3.856 -64.077,3.221 -64.077,-1.961 -59.073,-1.961 -59.073,1.138 -63.061,5.126 ; -70.778,1.976 -72.998,-0.244 -72.998,-7.91 -71.404,-9.505 -67.439,-9.505 -67.439,1.976 -70.707,1.976 ; -62.96,4.999 -63.772,5.812 -63.772,7.793 -63.772,10.434 -64.255,10.917 -64.255,13.101 -60.902,16.454 -60.902,19.307 ; -60.902,19.185 -59.087,21.001 -56.212,21.001 -54.739,22.474 -54.739,24.592 -54.739,24.647 -54.739,24.824 -54.327,25.235 ; -54.533,25.03 -54.278,25.285 -49.862,25.285 -49.015,26.132 -17.011,26.132 -13.303,22.423 -12.718,21.839 -8.324,21.839 ; -11.169,-2.342 -11.169,10.231 -7.359,14.041 -7.359,21.839 -5.81,23.388 -5.81,25.192 -8.096,27.478 -8.299,27.478 ; -11.149,-2.398 -7.8,-5.746 -1.4,-5.746 ; -8.375,21.839 -7.384,21.839 ; -8.303,27.579 -11.8,27.579 -11.8,31.063 -11.797,31.059 -2.736,31.059 -0.984,29.307 4.3,29.307 ; -5.2,-5.695 -5.175,-5.72 ; -1.39,-5.72 4.3,-5.72 ; 4.049,5.931 -2.4,5.931 -2.425,5.956 -2.425,12.3 4.35,12.3 ; -62.909,-13.476 -62.909,-7.701 -62.299,-7.092 -60.039,-7.092 -51.25,-15.88 -46.036,-15.88 -44.722,-15.88 -43.772,-16.83 -43.772,-18.406 -45.166,-19.8 -45.65,-20.284 -45.65,-27.666 -48.719,-27.666 -62.909,-13.476
GND (plane layer: these items are gaps in the copper):
  rectangle: -81.407,-32.995 4.369,-29.82
  rectangle: -42.245,-30.307 -35.045,-25.507

## Silkscreen, mask and mechanical layers (free items; w line width, h text height)
Top Overlay:
  drawing of 52 lines, arcs and shapes, not listed
  text "-" at -6.35,33.8 h1.5
  text "+" at 1.775,33.775 h1.5
  text "WATER_DETECT" at -63.519,25.23 h0.89 r60
  text "GND" at 3.181,22.882 h0.89 r90
  text "USB_DATA_P" at -2.266,21.43 h0.76 r90
  text "ALT" at -65.709,21.21 h0.76 r60
  text "SCL" at -67.025,18.951 h0.76 r60
  text "USB+" at 3.181,17.953 h0.89 r90
  text "SDA" at -68.463,16.594 h0.76 r60
  text "GND" at -69.891,14.12 h0.76 r60
  text "USB-" at 3.164,13.537 h0.89 r90
  text "USB_DATA_N" at -2.289,13 h0.76 r90
  text "3V3" at -71.226,11.817 h0.76 r60
  text "VBUS" at 3.262,7.932 h0.89 r90
  text "DATA_P" at -8.272,-0.064 h0.76 r90
  text "DATA_N" at -8.272,-5.268 h0.76 r90
  text "Smartfin Z  / Main PCBA Rev  / PCB 644-001-024" at -22.25,-16.053 h1.1
Bottom Overlay:
  text "RESET" at -53.126,34.841 h0.89
  text "WATER_DETECT" at -58.306,34.196 h0.89 r60
  text "-" at -6.224,33.702 h1.5
  text "+" at 1.742,33.696 h1.5
  text "LIPO" at 3.176,31.631 h0.89
  text "MODE" at -47.916,30.428 h0.89
  text "SOLAR +" at -13.336,29.104 h0.89 r270
  text "GND" at -53.729,27.499 h0.89
  text "SOLAR GND" at -22,26.909 h0.89 r270
  text "GND" at 3.128,25.809 h0.76 r90
  text "ALT" at -64.426,23.482 h0.76 r60
  text "SCL" at -65.709,21.21 h0.76 r60
  text "USB+" at 3.128,21.181 h0.76 r90
  text "SDA" at -67.15,19.013 h0.76 r60
  text "GND" at -68.625,16.485 h0.76 r60
  text "USB-" at 3.096,16.045 h0.76 r90
  text "3V3" at -10.346,15.895 h0.89
  text "3V3" at -69.891,14.12 h0.76 r60
  text "VBUS" at 3.096,11.132 h0.76 r90
  text "UB_USB+" at -34.283,10.877 h0.89 r270
  text "UB_VUSB_DET" at -40.142,10.787 h0.89 r270
  text "UB_USB-" at -37.176,10.733 h0.89 r270
  text "GPIO_PIN6" at -9.703,4.281 h0.89
  text "VBUS" at -9.803,1.307 h0.89
  text "STAT" at -11.923,-7.467 h0.89
  text "WDT_TRIG" at -34.872,-8.386 h0.89
  text "IMC_INT" at -28.094,-8.555 h0.89
  text "PREFUSE_VBUS" at 1.76,-8.565 h0.89
  text "GND" at -72.464,-8.614 h0.89
  text "GPIO_PIN24" at -17.752,-9.139 h0.89
  text "1V8_VDDIO" at -67.863,-11.762 h0.89
  text "GND" at -6.238,-12.701 h0.89
  text "GPIO_PIN25" at -20.186,-13.069 h0.89
  text "GND" at -39.714,-14.683 h0.89 r270
  text "SCK" at -44.946,-14.787 h0.89 r270
  text "SWDIO" at -42.33,-16.282 h0.89 r270
  text "3V3SW" at -49.643,-16.405 h0.89
  text "SAFEBOOT_N" at -29.329,-17.047 h0.89
  text "GND" at -51.706,-20.442 h0.89
  text "RESET_N" at -28.836,-22.803 h0.89
  text "EXTINT" at -49.155,-23.637 h0.89
Board Outline:
  circle w0.006: c-81.399,-30.486 r0.003
  circle w0.006: c-81.4,-30.485 r0.003
  lines w0.013: -81.399,-33 4.351,-33 4.351,-15 4.351,37.5 2.226,37.5 -6.524,37.5 -58.149,37.5 -81.399,-1.25 -81.399,-15 -81.399,-33
DXF_Mechanical:
  drawing of 5049 lines, arcs and shapes, not listed
Border:
  lines w0.127: -180.36,-39.45 -175.28,-39.45 ; -180.36,30.4 -175.28,30.4 ; -180.36,100.25 -175.28,100.25 ; -108.351,-109.3 -108.351,-104.22 ; -108.351,165.02 -108.351,170.1 ; -36.469,-109.3 -36.469,-104.22 ; -36.469,165.02 -36.469,170.1 ; 35.54,-109.3 35.54,-104.22 ; 35.54,165.02 35.54,170.1 ; 107.422,-109.3 107.422,-104.22 ; 107.422,165.02 107.422,170.1 ; 179.431,-109.3 179.431,-104.22 ; 179.431,165.02 179.431,170.1 ; 246.36,-39.45 251.44,-39.45 ; 246.36,30.4 251.44,30.4 ; 246.36,100.25 251.44,100.25 ; -180.36,-109.3 251.44,-109.3 251.44,170.1 -180.36,170.1 -180.36,-109.3
  lines w0.203: 35.54,145.208 246.36,145.208 ; 35.54,148.256 246.36,148.256 ; 35.54,151.304 246.36,151.304 ; 35.54,154.352 246.36,154.352 ; 35.54,157.4 246.36,157.4 ; 35.54,161.21 246.36,161.21 ; 35.54,165.02 35.54,142.16 246.36,142.16 ; 44.126,142.16 44.126,161.21 ; 55.86,142.16 55.86,161.21 ; 73.132,142.16 73.132,161.21 ; 114.328,-104.093 114.328,-83.798 154.95,-83.798 ; 154.95,-104.093 154.95,-83.798 ; 154.95,-99.019 246.348,-99.019 ; 154.95,-93.946 246.348,-93.946 ; 154.95,-88.872 246.348,-88.872 ; 220.96,-104.093 220.96,-93.946 220.96,-88.872 ; 246.348,-83.798 154.95,-83.798 ; -175.28,-104.22 246.36,-104.22 246.36,165.02 -175.28,165.02 -175.28,-104.22
  text "1" at -144.766,166.671 h1.78
  text "2" at -72.995,166.671 h1.78
  text "3" at -1.24,166.671 h1.78
  text "4" at 70.922,166.671 h1.78
  text "5" at 142.905,166.671 h1.78
  text "6" at 214.914,166.671 h1.78
  text "REVISION HISTORY" at 37.572,162.226 h3.56
  text "REV" at 37.572,158.162 h3.05
  text "ECO" at 47.224,158.162 h3.05
  text "DATE" at 61.194,158.162 h3.05
  text "DESCRIPTION" at 75.164,158.162 h3.05
  text ".FAB_ECO_REV1" at 38.842,155.114 h3.05
  text ".FAB_ECO_NUM1" at 45.7,155.114 h3.05
  text ".FAB_ECO_DATE1" at 57.13,155.114 h3.05
  text ".FAB_ECO_DESC1" at 75.16,155.114 h3.05
  text ".FAB_ECO_REV2" at 38.842,152.066 h3.05
  text ".FAB_ECO_NUM2" at 45.7,152.066 h3.05
  text ".FAB_ECO_DATE2" at 57.13,152.066 h3.05
  text ".FAB_ECO_DESC2" at 75.16,152.066 h3.05
  text ".FAB_ECO_REV3" at 38.842,149.018 h3.05
  text ".FAB_ECO_NUM3" at 45.7,149.018 h3.05
  text ".FAB_ECO_DATE3" at 57.13,149.018 h3.05
  text ".FAB_ECO_DESC3" at 75.164,149.018 h3.05
  text ".FAB_ECO_REV4" at 38.842,145.97 h3.05
  text ".FAB_ECO_NUM4" at 45.7,145.97 h3.05
  text ".FAB_ECO_DATE4" at 57.13,145.97 h3.05
  text ".FAB_ECO_DESC4" at 75.164,145.97 h3.05
  text ".FAB_ECO_REV5" at 38.842,142.922 h3.05
  text ".FAB_ECO_NUM5" at 45.7,142.922 h3.05
  text ".FAB_ECO_DATE5" at 57.13,142.922 h3.05
  text ".FAB_ECO_DESC5" at 75.164,142.922 h3.05
  text "A" at -178.455,135.099 h1.78
  text "A" at 248.265,135.099 h1.78
  text "B" at -178.455,65.656 h1.78
  text "B" at 248.265,65.656 h1.78
  text "C" at -178.455,-4.982 h1.78
  text "C" at 248.265,-4.982 h1.78
  text "D" at -178.455,-76.661 h1.78
  text "D" at 248.265,-76.661 h1.78
  text "TITLE" at 157.489,-86.099 h2.46
  text "tm" at 150.856,-87.964 h1.1
  text ".Printout_Name" at 165.105,-87.987 h3.94
  text "DOC NUMBER" at 157.489,-91.173 h2.46
  text "REV" at 223.499,-91.173 h2.46
  text "sync" at 116.867,-91.504 h9.84
  text "roness" at 131.602,-91.504 h9.84
  text ".FABDWG_DOCNUM" at 175.261,-93.061 h3.94
  text ".FAB_CURRENT_REV" at 231.115,-93.061 h3.94
  text "ENGINEER" at 157.489,-96.246 h2.46
  text "DATE" at 223.499,-96.246 h2.46
  text "10875 dover street,  unit 200" at 123.758,-97.391 h2.46
  text ".CONTACT_NAME" at 170.183,-98.134 h3.94
  text ".Print_Date" at 231.115,-98.134 h3.94
  text "westminster, colorado, 80501, usa" at 122.203,-99.927 h2.46
  text "FILE" at 157.489,-101.32 h2.46
  text "SHEET" at 223.499,-101.32 h2.46
  text "OF" at 236.193,-101.32 h2.46
  text "www.syncroness.com" at 126.892,-102.464 h2.46
  text "1" at 231.598,-103.144 h3.94
  text ".Pcb_File_Name_No_Path" at 165.105,-103.208 h3.94
  text "1" at 241.27,-103.208 h3.94
  text "1" at -144.766,-107.649 h1.78
  text "2" at -72.995,-107.649 h1.78
  text "3" at -1.24,-107.649 h1.78
  text "4" at 70.922,-107.649 h1.78
  text "5" at 142.905,-107.649 h1.78
  text "6" at 214.914,-107.649 h1.78
Mechanical 8:
  drawing of 385 lines, arcs and shapes, not listed
Drill Drawing:
  drawing of 366 lines, arcs and shapes, not listed
  text "Layer" at 12.578,120.802 h1.52
  text "Name" at 22.99,120.802 h1.52
  text "Material" at 46.605,120.802 h1.52
  text "Thickness" at 68.443,120.802 h1.52
  text "Constant" at 84.949,120.802 h1.52
  text "Board Layer Stack" at 99.424,120.802 h1.52
  text "Top Overlay" at 22.99,117.754 h1.52
  text "Top Solder" at 22.99,114.706 h1.52
  text "Solder Resist" at 46.605,114.706 h1.52
  text "0.95mil" at 68.443,114.706 h1.52
  text "3.9" at 84.949,114.706 h1.52
  text "1" at 12.578,111.658 h1.52
  text "Top Layer" at 22.99,111.658 h1.52
  text "0.71mil" at 68.443,111.658 h1.52
  text "Dielectric1" at 22.99,108.61 h1.52
  text "PP-006" at 46.605,108.61 h1.52
  text "6.06mil" at 68.443,108.61 h1.52
  text "3.88" at 84.949,108.61 h1.52
  text "2" at 12.578,105.562 h1.52
  text "GND" at 22.99,105.562 h1.52
  text "CF-004" at 46.605,105.562 h1.52
  text "0.59mil" at 68.443,105.562 h1.52
  text "Dielectric 1" at 22.99,102.514 h1.52
  text "Core-009" at 46.605,102.514 h1.52
  text "12.01mil" at 68.443,102.514 h1.52
  text "4.14" at 84.949,102.514 h1.52
  text "3" at 12.578,99.466 h1.52
  text "Power" at 22.99,99.466 h1.52
  text "CF-004" at 46.605,99.466 h1.52
  text "0.59mil" at 68.443,99.466 h1.52
  text "Dielectric2" at 22.99,96.418 h1.52
  text "PP-006" at 46.605,96.418 h1.52
  text "6.06mil" at 68.443,96.418 h1.52
  text "3.88" at 84.949,96.418 h1.52
  text "4" at 12.578,93.37 h1.52
  text "Bottom Layer" at 22.99,93.37 h1.52
  text "0.71mil" at 68.443,93.37 h1.52
  text "Bottom Solder" at 22.99,90.322 h1.52
  text "Solder Resist" at 46.605,90.322 h1.52
  text "0.95mil" at 68.443,90.322 h1.52
  text "3.9" at 84.949,90.322 h1.52
  text "Bottom Overlay" at 22.99,87.274 h1.52
  text "Symbol" at 35.394,63.42 h1.83
  text "Count" at 48.244,63.42 h1.83
  text "Hole Size" at 63.48,63.42 h1.83
  text "Plated" at 92.681,63.42 h1.83
  text "Hole Type" at 105.53,63.42 h1.83
  text "Via/Pad" at 124.169,63.42 h1.83
  text "351" at 48.244,59.61 h1.52
  text "8.00mil (0.203mm)" at 63.48,59.61 h1.52
  text "PTH" at 92.681,59.61 h1.52
  text "Round" at 105.53,59.61 h1.52
  text "Via" at 124.169,59.61 h1.52
  text "46" at 48.244,55.8 h1.52
  text "7.99mil (0.203mm)" at 63.48,55.8 h1.52
  text "PTH" at 92.681,55.8 h1.52
  text "Round" at 105.53,55.8 h1.52
  text "Via" at 124.169,55.8 h1.52
  text "32" at 48.244,51.99 h1.52
  text "15.75mil (0.400mm)" at 63.48,51.99 h1.52
  text "PTH" at 92.681,51.99 h1.52
  text "Round" at 105.53,51.99 h1.52
  text "Via" at 124.169,51.99 h1.52
  text "9" at 48.244,48.18 h1.52
  text "25.98mil (0.660mm)" at 63.48,48.18 h1.52
  text "PTH" at 92.681,48.18 h1.52
  text "Round" at 105.53,48.18 h1.52
  text "Pad" at 124.169,48.18 h1.52
  text "8" at 48.244,44.37 h1.52
  text "12.01mil (0.305mm)" at 63.48,44.37 h1.52
  text "PTH" at 92.681,44.37 h1.52
  text "Round" at 105.53,44.37 h1.52
  text "Via" at 124.169,44.37 h1.52
  text "5" at 48.244,40.56 h1.52
  text "78.74mil (2.000mm)" at 63.48,40.56 h1.52
  text "PTH" at 92.681,40.56 h1.52
  text "Round" at 105.53,40.56 h1.52
  text "Pad" at 124.169,40.56 h1.52
  text "3" at 48.244,36.75 h1.52
  text "43.00mil (1.092mm)" at 63.48,36.75 h1.52
  text "PTH" at 92.681,36.75 h1.52
  text "Round" at 105.53,36.75 h1.52
  text "Pad" at 124.169,36.75 h1.52
  text "2" at 48.244,32.94 h1.52
  text "127.95mil (3.250mm)" at 63.48,32.94 h1.52
  text "NPTH" at 92.681,32.94 h1.52
  text "Round" at 105.53,32.94 h1.52
  text "Pad" at 124.169,32.94 h1.52
  text "456 Total" at 48.244,29.13 h1.52

## Text inside footprints (layer, text, board x,y; h text height)
J3: Top Overlay "1" at -36.81,-10.088 h1.52 r180
U17: Bottom Assembly "TEST PADS" at 179.059,45.985 h0.94; Bottom Assembly "DO NOT CONNECT" at 179.059,45.071 h0.94